# Altium PCB PS1-1B-BASIS.PcbDoc (part 6 of 7)
Units mm, origin at the board's own origin, x right, y up, seen from the top; angles counter-clockwise.
Board outline 88 x 170 mm, 6 copper layers (Top Layer, Mid 1, Mid 2 (GND), Mid 3 (PWR), Mid 4, Bottom Layer), stack 1.55 mm thick; 633 components, 333 nets, 1767 pads, 930 vias.
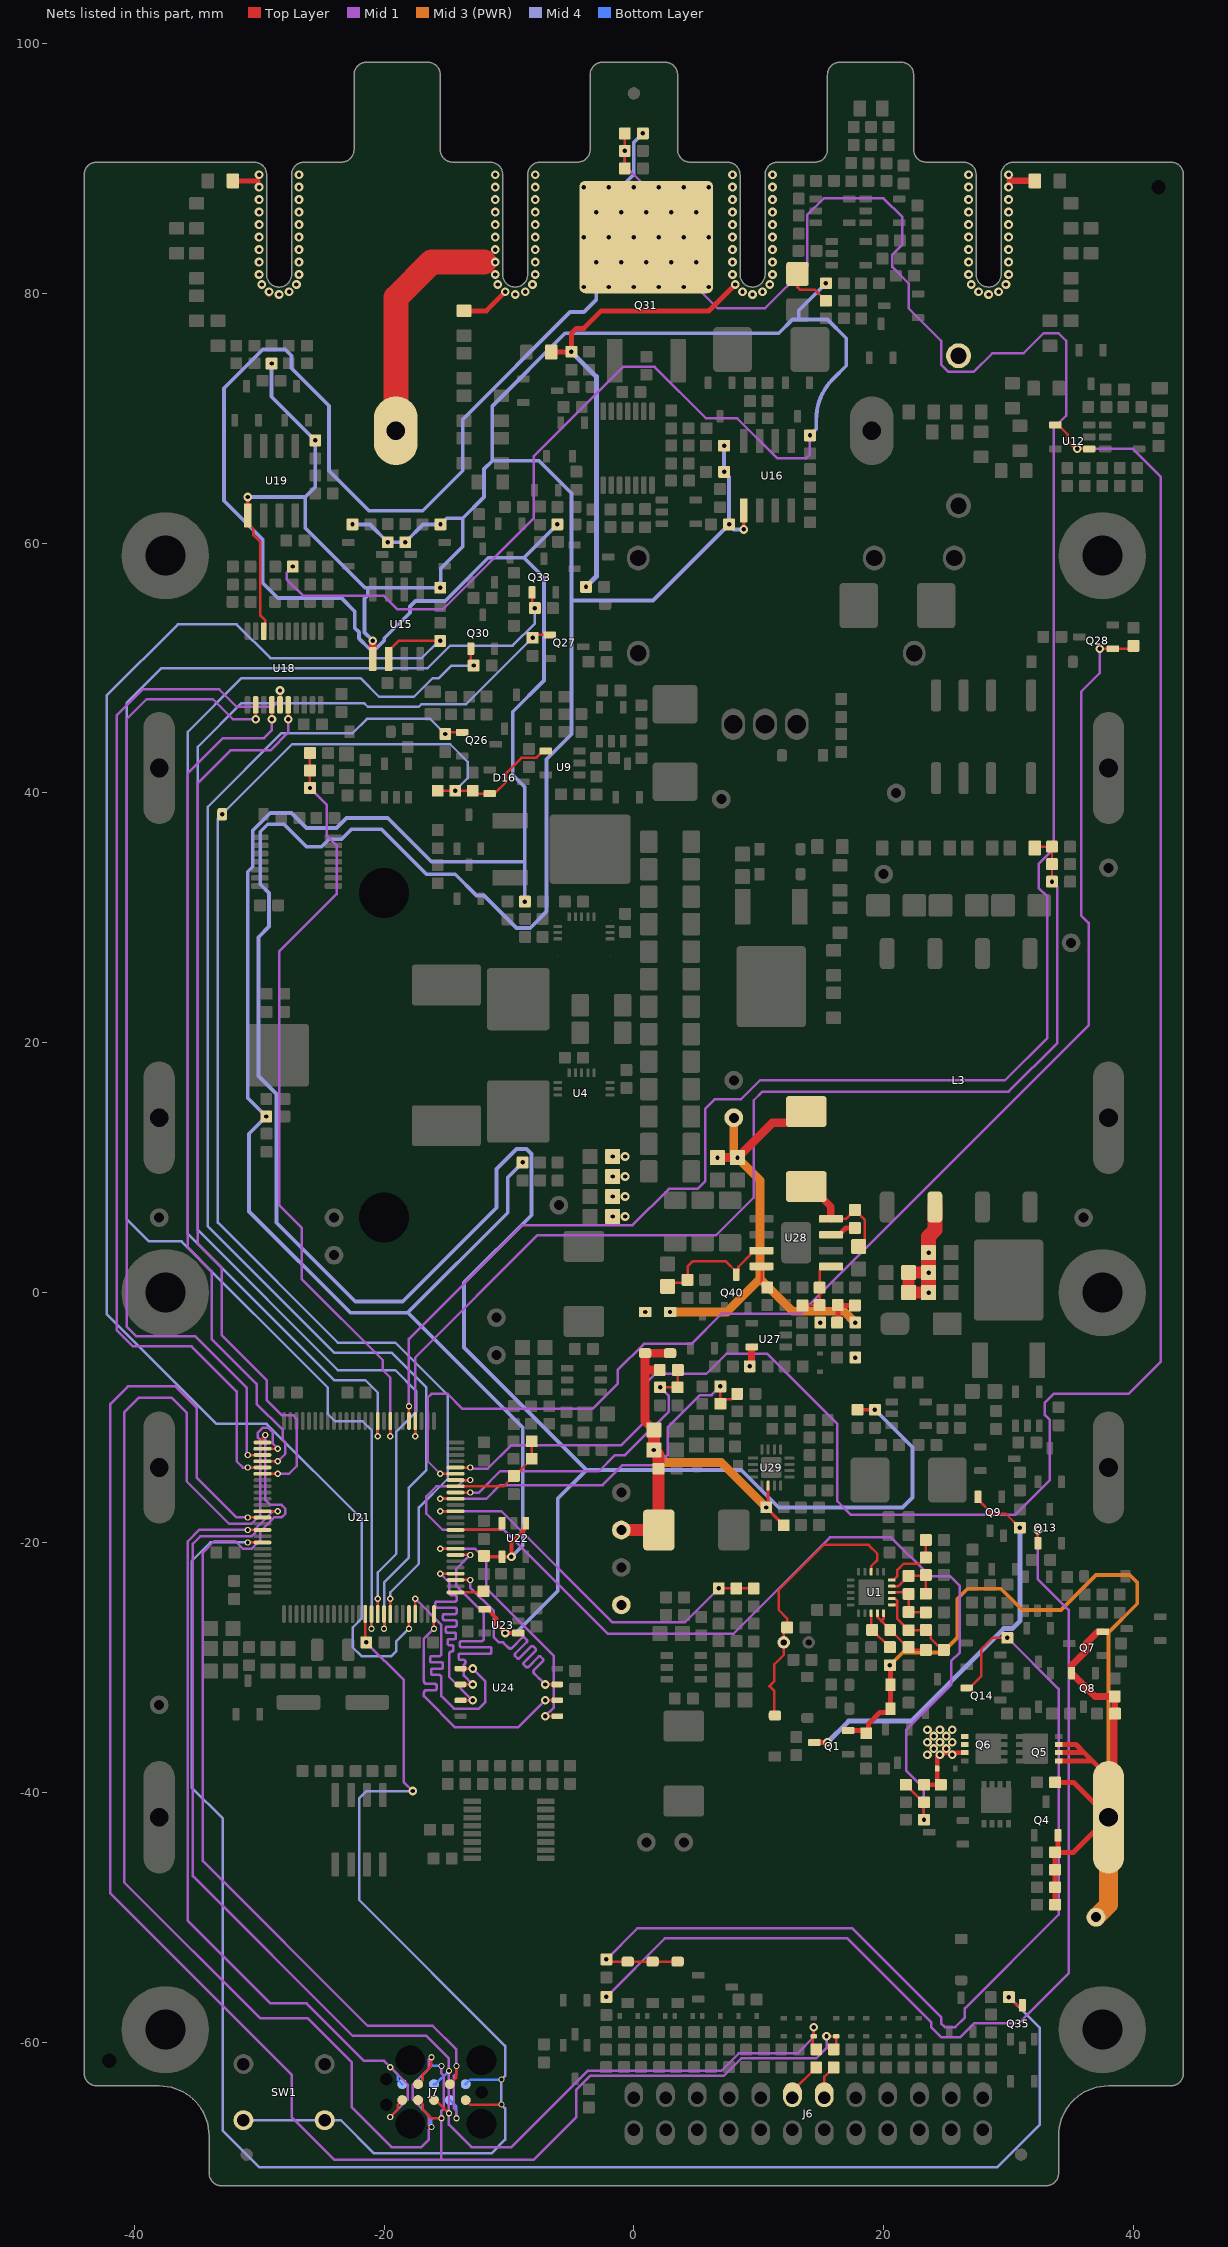
[diagram p10: the nets of this part, all layers, seen from the top]

## Via types
v1: diameter 0.7, hole 0.35, Top Layer to Bottom Layer, tented both sides, 808 vias
v2: diameter 0.5, hole 0.3, Top Layer to Bottom Layer, tented both sides, 94 vias
v3: diameter 0.7, hole 0.35, Top Layer to Bottom Layer, 28 vias

## Nets (pads, with @x,y where several pads share a name; then routed paths per layer and width w, separated by ;. In a path a pad name is that pad's centre, name@x,y a point inside that pad or via, vN(x,y) a via of type N, cw(c..) or ccw(c..) an arc to the next point about the centre after c; other vN are vias at no path point) (continued)
OUT_SEL_HV: Q27.1@-6.75,52.65 R114.1 U21.16 | length 112.8
  Top Layer w0.2: U21.16@-20.5,-25.725 v2(-20.5,-24.5) ; v1(-8.1,52.425) -7.875,52.65 Q27.1@-6.75,52.65
  Mid 4 w0.2: v2(-20.5,-24.5) -20.5,-22.4 -19,-20.9 -19,-11.1 -17.4,-9.5 -17.4,-7.9 -19.1,-6.2 -23.7,-6.2 -34.9,5 -34.9,43.7 -31.4,47.2 -21.6,47.2 -21.3,46.9 -17.2,46.9 -17,47.1 -13.425,47.1 v1(-8.1,52.425)
OUT_SEL_ISO: Q28.1@38.35,51.55 R124.1 U21.45 | length 108.4
  Top Layer w0.2: v2(-15.5,-14.5) U21.45@-14.275,-14.5 ; v1(37.3,51.55) Q28.1@38.35,51.55 39.775,51.55 R124.1@40,51.775
  Mid 1 w0.2: v2(-15.5,-14.5) -16.5,-13.5 -16.5,-8.4 -16.2,-8.1 -14.9,-8.1 -13.7,-9.3 -3.3,-9.3 -1.3,-7.3 -1.3,-6.2 0.8,-4.1 4.6,-4.1 7,-1.7 13.3,-1.7 36.4,21.4 36.4,29.6 35.8,30.2 35.8,48.1 37.3,49.6 v1(37.3,51.55)
OVP/: D8.1 D16.2 R86.1 R87.1 R91.2 U9.4 U21.18 | length 112.2
  Top Layer w0.2: U21.18@-19.5,-25.725 v2(-19.5,-24.5) ; R87.1@-15.7,40.175 v1(-14.3,40.175) R91.2@-12.9,40.175 -12.75,40.175 -12.525,39.95 D16.2@-11.55,39.95 -11.15,39.95 -10.2,40.9 -10.2,41.6 -9,42.8 -7.825,42.8 -7.275,43.35 U9.4@-7.05,43.35
  Mid 4 w0.2: v2(-19.5,-24.5) -19.5,-24 -17.2,-21.7 -17.2,-17.2 -14.9,-14.9 -14.9,-8.2 -19.1,-4 -23.7,-4 -33.3,5.6 -33.3,37.95 v1(-32.95,38.3) -27.35,43.9 -14.7,43.9 -13.3,42.5 -13.3,41.175 v1(-14.3,40.175)
OVP_RESET: Q26.1@-13.75,44.85 R83.1 U21.17 | length 102.1
  Top Layer w0.2: v2(-20,-26.9) U21.17@-20,-25.725 ; v1(-15.1,44.725) -14.975,44.85 Q26.1@-13.75,44.85
  Mid 4 w0.2: v2(-20,-26.9) -20,-23.2 -18,-21.2 -18,-15.6 -16.6,-14.2 -16.6,-7.6 -19.4,-4.8 -24,-4.8 -34.1,5.3 -34.1,38.9 -28.2,44.8 -22.5,44.8 -21.377,45.923 -16.298,45.923 v1(-15.1,44.725)
QSPI.CLK: U21.25 U24.6 | length 21.2
  Top Layer w0.2: v2(-16,-26.9) U21.25@-16,-25.725 ; v1(-7.1,-32.635) U24.6@-6.13,-32.635
  Mid 1 w0.2: v2(-16,-26.9) -16.8,-27.7 -16.8,-30.558 -16.8,-31.127 ccw(c-16.6,-31.127) -16.6,-31.327 -15.921,-31.327 cw(c-15.921,-31.452) -15.796,-31.452 -15.796,-31.702 cw(c-15.921,-31.702) -15.921,-31.827 -16.6,-31.827 ccw(c-16.6,-32.027) -16.8,-32.027 -16.8,-32.3 -16.61,-32.49 -14.3,-34.8 -9.265,-34.8 v1(-7.1,-32.635)
QSPI.CS/: U21.22 U24.1@-13.87,-30.095 | length 21.3
  Top Layer w0.2: U21.22@-17.5,-25.725 v2(-17.5,-24.5) ; U24.1@-13.87,-30.095 v1(-12.9,-30.095)
  Mid 1 w0.2: v2(-17.5,-24.5) -15.4,-26.6 -15.4,-28.3 -15.4,-28.9 cw(c-15.6,-28.9) -15.6,-29.1 -16.175,-29.1 ccw(c-16.175,-29.225) -16.3,-29.225 -16.3,-29.475 ccw(c-16.175,-29.475) -16.175,-29.6 -15.403,-29.6 cw(c-15.403,-29.725) -15.278,-29.725 -15.278,-29.975 cw(c-15.403,-29.975) -15.403,-30.1 -16.105,-30.1 ccw(c-16.105,-30.225) -16.23,-30.225 -16.23,-30.475 ccw(c-16.105,-30.475) -16.105,-30.6 -15.6,-30.6 cw(c-15.6,-30.8) -15.4,-30.8 -15.4,-31.208 -15.4,-32.3 -14.4,-33.3 -12.4,-33.3 -11.9,-32.8 -11.9,-31.095 v1(-12.9,-30.095)
QSPI.IO0: U21.33 U24.5 | length 21.3
  Top Layer w0.2: v2(-15.5,-20.5) U21.33@-14.275,-20.5 ; v1(-7.1,-33.905) U24.5@-6.13,-33.905
  Mid 1 w0.2: v2(-15.5,-20.5) -12.7,-20.5 -11.8,-21.4 -11.8,-23.7 -6.4,-29.1 -6.4,-33.205 v1(-7.1,-33.905)
QSPI.IO1: U21.32 U24.2 | length 21.3
  Top Layer w0.2: U21.32@-14.275,-21 v2(-13.1,-21) ; U24.2@-13.87,-31.365 v1(-12.9,-31.365)
  Mid 1 w0.2: v2(-13.1,-21) -14.2,-22.1 -14.2,-23.5 -12,-25.7 -12,-27.114 -12,-27.692 cw(c-12.2,-27.692) -12.2,-27.892 -13.796,-27.892 ccw(c-13.796,-28.017) -13.921,-28.017 -13.921,-28.267 ccw(c-13.796,-28.267) -13.796,-28.392 -11.522,-28.392 cw(c-11.522,-28.517) -11.397,-28.517 -11.397,-28.767 cw(c-11.522,-28.767) -11.522,-28.892 -13.889,-28.892 ccw(c-13.889,-29.017) -14.014,-29.017 -14.014,-29.267 ccw(c-13.889,-29.267) -13.889,-29.392 -13.675,-29.392 cw(c-13.675,-29.592) -13.534,-29.734 -13.6,-29.8 -13.6,-29.892 -13.6,-30.665 v1(-12.9,-31.365)
QSPI.IO2: U21.29 U24.3 | length 21.6
  Top Layer w0.2: v2(-15.5,-22.5) U21.29@-14.275,-22.5 ; U24.3@-13.87,-32.635 v1(-12.9,-32.635)
  Mid 1 w0.2: v2(-15.5,-22.5) -14.775,-23.225 -14.775,-23.928 -14.775,-24.028 ccw(c-14.575,-24.028) -14.575,-24.228 -14.313,-24.228 cw(c-14.313,-24.353) -14.188,-24.353 -14.188,-24.603 cw(c-14.313,-24.603) -14.313,-24.728 -15.765,-24.728 ccw(c-15.765,-24.853) -15.89,-24.853 -15.89,-25.103 ccw(c-15.765,-25.103) -15.765,-25.228 -14.313,-25.228 cw(c-14.313,-25.353) -14.188,-25.353 -14.188,-25.603 cw(c-14.313,-25.603) -14.313,-25.728 -15.152,-25.728 ccw(c-15.152,-25.853) -15.277,-25.853 -15.277,-26.103 ccw(c-15.152,-26.103) -15.152,-26.228 -14.313,-26.228 cw(c-14.313,-26.353) -14.188,-26.353 -14.188,-26.603 cw(c-14.313,-26.603) -14.313,-26.728 -14.925,-26.728 ccw(c-14.925,-26.853) -15.05,-26.853 -15.05,-27.103 ccw(c-14.925,-27.103) -14.925,-27.228 -14.363,-27.228 cw(c-14.363,-27.353) -14.238,-27.353 -14.238,-27.603 cw(c-14.363,-27.603) -14.363,-27.728 -14.775,-27.728 ccw(c-14.775,-27.853) -14.9,-27.853 -14.9,-28.103 ccw(c-14.775,-28.103) -14.775,-28.228 -14.575,-28.228 cw(c-14.575,-28.353) -14.45,-28.353 -14.45,-28.603 cw(c-14.575,-28.603) -14.575,-28.728 ccw(c-14.575,-28.928) -14.775,-28.928 -14.775,-29.404 -14.775,-30.76 v1(-12.9,-32.635)
QSPI.IO3: U21.28 U24.7 | length 21.4
  Top Layer w0.2: U21.28@-14.275,-23 v2(-13.1,-23) ; v1(-7.1,-31.365) U24.7@-6.13,-31.365
  Mid 1 w0.2: v2(-13.1,-23) -13.1,-23.6 -11.2,-25.5 -11.2,-27.6 -10.8,-28 -10.465,-28 -10.099,-28.366 -10.029,-28.436 ccw(c-9.887,-28.295) -9.746,-28.436 -8.93,-27.62 cw(c-8.841,-27.709) -8.753,-27.62 -8.576,-27.797 cw(c-8.664,-27.885) -8.576,-27.974 -9.507,-28.905 ccw(c-9.419,-28.994) -9.507,-29.082 -9.331,-29.259 ccw(c-9.242,-29.17) -9.154,-29.259 -8.222,-28.327 cw(c-8.134,-28.416) -8.046,-28.327 -7.869,-28.504 cw(c-7.957,-28.593) -7.869,-28.681 -8.8,-29.612 ccw(c-8.712,-29.701) -8.8,-29.789 -8.623,-29.966 ccw(c-8.535,-29.877) -8.447,-29.966 -7.627,-29.146 cw(c-7.538,-29.234) -7.45,-29.146 -7.273,-29.323 cw(c-7.361,-29.411) -7.273,-29.499 -7.978,-30.204 ccw(c-7.837,-30.346) -7.978,-30.487 -7.636,-30.829 -7.566,-30.899 v1(-7.1,-31.365)
RESET/: J7.10 R234.2 SW1.1 U21.14 | length 81.2
  Top Layer w0.2: U21.14@-21.5,-25.725 -21.5,-27.925 v1(-21.425,-28) ; J7.10@-13.46,-64.635 -13.095,-65 v2(-10.6,-65)
  Mid 1 w0.2: v1(-21.425,-28) -18.4,-31.025 -18.4,-39.2 v1(-17.7,-39.9)
  Mid 4 w0.2: SW1.1@-31.25,-66.25 SW1.1@-24.75,-66.25 -23.45,-66.25 -20.8,-68.9 -11.4,-68.9 -10.3,-67.8 -10.3,-65.3 v2(-10.6,-65) v2(-10.6,-63) -10.299,-62.699 -10.299,-60.301 -22,-48.6 -22,-40.5 -21.4,-39.9 v1(-17.7,-39.9)
  Bottom Layer w0.2: J7.10@-13.46,-63.365 -13.095,-63 v2(-10.6,-63)
SENS_N: J5.1 R191.1 | length 2
  Top Layer w0.5: 30.1,89 R191.1@32.1,89
  other v1: 28.4,79.9 27.6,80.114 29.2,80.114 27.014,80.7 29.786,80.7 26.8,81.5 30,81.5 26.8,82.5 30,82.5 26.8,83.5 30,83.5 26.8,84.5 30,84.5 26.8,85.5 30,85.5 26.8,86.5 30,86.5 26.8,87.5 30,87.5 26.8,88.5 30,88.5 26.8,89.5 30,89.5
SENS_P: J4.1 R178.1 | length 2.2
  Top Layer w0.4: R178.1@-32.1,89 -30.1,89 ; v1@-29.2,79.9 v1(-29.2,80.114)
  other v1: -28.4,79.9 -27.6,80.114 -29.786,80.7 -27.014,80.7 -30,81.5 -26.8,81.5 -30,82.5 -26.8,82.5 -30,83.5 -26.8,83.5 -30,84.5 -26.8,84.5 -30,85.5 -26.8,85.5 -30,86.5 -26.8,86.5 -30,87.5 -26.8,87.5 -30,88.5 -26.8,88.5 -30,89.5 -26.8,89.5
SHUNT_EN: Q33.1@-8.15,56.05 R149.2 U21.15 | length 124.1
  Top Layer w0.2: v2(-21,-26.9) U21.15@-21,-25.725 ; Q33.1@-8.15,56.05 -8.15,55.025 v1(-7.925,54.8)
  Mid 4 w0.2: v2(-21,-26.9) -21,-11 -21.7,-10.3 -23.9,-10.3 -24.5,-9.7 -24.5,-7.6 -36.2,4.1 -38.8,4.1 -40.6,5.9 -40.6,47.2 -37.8,50 -16.5,50 -14.7,51.8 -9.7,51.8 -7.925,53.575 v1(-7.925,54.8)
SHUNT_ISO_EN: Q30.1@-13.05,51.55 R139.1 U21.60 | length 93.1
  Top Layer w0.2: v2(-20.5,-11.5) U21.60@-20.5,-10.275 ; Q30.1@-13.05,51.55 -13.05,50.525 -12.825,50.3 v1(-12.825,50.2)
  Mid 4 w0.2: v2(-20.5,-11.5) -20.5,-8 -21.5,-7 -24,-7 -35.7,4.7 -35.7,44.9 -31.4,49.2 -21.887,49.2 -20.387,47.7 -17.6,47.7 -16.1,49.2 -15.6,49.2 -14.6,50.2 v1(-12.825,50.2)
SPI.CS: U18.12 U21.78 | length 79.6
  Top Layer w0.2: v2(-30.9,-13) U21.78@-29.725,-13 ; v1(-30.275,45.9) U18.12@-30.275,47.05
  Mid 1 w0.2: v2(-30.9,-13) -31,-12.9 -31,-7.6 -35.1,-3.5 -39.8,-3.5 -40.6,-2.7 -40.6,45.9 -39,47.5 -33.7,47.5 -32.1,45.9 v1(-30.275,45.9)
SPI.MISO: U18.15 U21.80 | length 85.3
  Top Layer w0.2: v2(-30.9,-14) U21.80@-29.725,-14 ; U18.15@-28.325,47.05 v1(-28.325,48.2)
  Mid 1 w0.2: v2(-30.9,-14) -31.3,-14 -31.8,-13.5 -31.8,-7.9 -35.4,-4.3 -40.1,-4.3 -41.4,-3 -41.4,46.2 -39.3,48.3 -33.2,48.3 -31.8,46.9 -28.9,46.9 -28.325,47.475 v1(-28.325,48.2)
SPI.MOSI: U18.16 U21.81 | length 72.6
  Top Layer w0.2: U21.81@-29.725,-14.5 v2(-28.5,-14.5) ; v1(-27.675,45.9) U18.16@-27.675,47.05
  Mid 1 w0.2: v2(-28.5,-14.5) -27.6,-14.5 -27,-13.9 -27,-10.1 -27.3,-9.8 -28.2,-9.8 -29.4,-8.6 -29.4,-7 -33,-3.4 -33,2 -34.9,3.9 -34.9,40.8 -32.3,43.4 -29.1,43.4 -27.675,44.825 v1(-27.675,45.9)
SPI.SCK: U18.14 U21.79 | length 70
  Top Layer w0.2: U21.79@-29.725,-13.5 v2(-28.5,-13.5) ; v1(-28.975,45.9) U18.14@-28.975,47.05
  Mid 1 w0.2: v1(-28.975,45.9) -28.975,45.025 -29.6,44.4 -32.9,44.4 -35.7,41.6 -35.7,3.6 -33.8,1.7 -33.8,-3.7 -30.2,-7.3 -30.2,-8.9 -28.1,-11 -28.1,-11.8 -27.9,-12 -27.9,-12.9 v2(-28.5,-13.5)
SWD.SWCLK: J7.4 U21.77 | length 116.3
  Top Layer w0.2: U21.77@-29.725,-12.5 v2(-28.5,-12.5) ; J7.4@-17.27,-63.365 -16.9,-62.995 -16.9,-62.6 -16.2,-61.9 v2(-16.2,-61.2)
  Mid 1 w0.2: v2(-28.5,-12.5) -28.9,-12.1 -28.9,-11.2 -29.3,-10.8 -29.7,-10.8 -30.1,-11.2 -30.1,-11.6 -29.9,-11.8 -29.9,-17.8 -30.6,-18.5 -32.4,-18.5 -35.8,-15.1 -35.8,-9.6 -37,-8.4 -39.6,-8.4 -40.8,-9.6 -40.8,-47.2 -29.9,-58.1 -26.1,-58.1 -22.6,-61.6 -22.6,-65.2 -19.4,-68.4 -17,-68.4 -16.4,-67.8 -16.4,-67 v2(-16.2,-66.8) -16.4,-66.6 -16.4,-65.9 -17.7,-64.6 -17.7,-63.4 -16.4,-62.1 -16.4,-61.4 v2(-16.2,-61.2)
  Bottom Layer w0.2: J7.4@-17.27,-64.635 -16.9,-65.005 -16.9,-65.4 -16.2,-66.1 v2(-16.2,-66.8)
SWD.SWDAT: J7.2 U21.76 | length 77.3
  Top Layer w0.2: U21.76@-29.725,-12 -29.725,-11.625 v2(-29.5,-11.4) ; J7.2@-14.73,-63.365 -14.2,-62.835 v2(-14.2,-61.9)
  Mid 1 w0.2: v2(-29.5,-11.4) -29.5,-16.6 -29.1,-17 -28.2,-17 -27.9,-17.3 -27.9,-17.7 -28.2,-18 -28.8,-18 -29.9,-19.1 -29.9,-19.8 -30.6,-20.5 -31.3,-20.5 -31.9,-19.9 -33.6,-19.9 -34.5,-20.8 -34.5,-45.5 -21.3,-58.7 -16.1,-58.7 -14.2,-60.6 v2(-14.2,-61.9) -14.2,-62.5 -14.4,-62.7 -14.4,-65.3 -14.2,-65.5 v2(-14.2,-66.1)
  Bottom Layer w0.2: J7.2@-14.73,-64.635 -14.2,-65.165 v2(-14.2,-66.1)
SWD.SWO: J7.6 U21.90 | length 66.5
  Top Layer w0.2: v2(-30.9,-19) U21.90@-29.725,-19 ; v2(-19.5,-66) -18.9,-65.4 -18.9,-64.995 J7.6@-18.54,-64.635
  Mid 1 w0.2: v2(-30.9,-19) -34.8,-19 -35.7,-19.9 -35.7,-50.3 -29.1,-56.9 -26.2,-56.9 -21.6,-61.5 -20,-61.5 v2(-19.5,-62) -18.1,-63.4 -18.1,-64.6 v2(-19.5,-66)
  Bottom Layer w0.2: v2(-19.5,-62) -18.9,-62.6 -18.9,-63.005 J7.6@-18.54,-63.365
TEMP_CURRENT: C69.1 R150.2 R152.1 U21.55 | length 193.5
  Top Layer w0.2: U21.55@-18,-10.275 v2(-18,-9.1) ; R152.1@-0.725,90 v1(-0.725,91.4) R150.2@-0.725,92.8
  Mid 1 w0.2: v2(-18,-9.1) -18,-3.7 -8.9,5.4 -0.1,5.4 2.8,8.3 5.1,8.3 5.7,8.9 5.7,14.7 6.5,15.5 8.6,15.5 10.1,17 29.7,17 33.1,20.4 33.1,31.7 32.4,32.4 32.4,34.3 33.6,35.5 33.6,69.2 34.6,70.2 34.6,76.2 34,76.8 32.8,76.8 31.2,75.2 28.7,75.2 27.2,73.7 25.2,73.7 24.6,74.3 24.6,76.2 22.011,78.789 22.011,80.789 20.7,82.1 20.7,83.1 21.5,83.9 21.5,86.1 20,87.6 15.2,87.6 13.9,86.3 13.9,82.2 10.5,78.8 6.7,78.8 4,81.5 4,83.5 2,85.5 2,87.5 -0.725,90.225 v1(-0.725,91.4)
TERM_N: GDT1.2 J3.1 Q31.3 R125.1 R126.1 R133.2 R137.2 R164.1 | length 41.6
  Top Layer w0.2: R126.1@13.1,81.55 13.1,80.5 13.3,80.3 14.475,80.3 R125.1@15.375,79.4
  Top Layer w0.4: R164.1@-6.6,75.3 -6.587,75.313 -5.013,75.313 v1(-5,75.325) ; R137.2@-5,75.3 -5,76.8 -4.6,77.2 -4,77.2 -2.6,78.6 6.014,78.6 v1(8.114,80.7)
  Mid 4 w0.4: v1(-5,75.325) -3,73.325 -3,57.325 v1(-3.825,56.5)
  other v1: 9.5,79.9 8.7,80.114 10.3,80.114 10.886,80.7 7.9,81.5 11.1,81.5 7.9,82.5 11.1,82.5 7.9,83.5 11.1,83.5 7.9,84.5 11.1,84.5 7.9,85.5 11.1,85.5 7.9,86.5 11.1,86.5 7.9,87.5 11.1,87.5 7.9,88.5 11.1,88.5 7.9,89.5 11.1,89.5
  other v3: -4,80.5 -2,80.5 0,80.5 2,80.5 4,80.5 6,80.5 -3,82.5 -1,82.5 1,82.5 3,82.5 5,82.5 -4,84.5 -2,84.5 0,84.5 2,84.5 4,84.5 6,84.5 -3,86.5 -1,86.5 1,86.5 3,86.5 5,86.5 -4,88.5 -2,88.5 0,88.5 2,88.5 4,88.5 6,88.5
TERM_P: F2.2 J2.1 R154.1 | length 22.8
  Top Layer w0.4: R154.1@-13.6,78.6 -11.814,78.6 v1(-10.3,80.114)
  Top Layer w2: F2.2@-19.05,69 -19.05,79.645 -16.195,82.5 -12,82.5
  other v1: -9.5,79.9 -8.7,80.114 -10.886,80.7 -8.114,80.7 -11.1,81.5 -7.9,81.5 -11.1,82.5 -7.9,82.5 -11.1,83.5 -7.9,83.5 -11.1,84.5 -7.9,84.5 -11.1,85.5 -7.9,85.5 -11.1,86.5 -7.9,86.5 -11.1,87.5 -7.9,87.5 -11.1,88.5 -7.9,88.5 -11.1,89.5 -7.9,89.5
TS: C11.1 D3.1 J1.1 R15.1 U1.8 | length 22.4
  Top Layer w0.2: D3.1@11.3,-33.85 11.25,-33.8 11.25,-31.9 J1.1@10.85,-31.5 11.25,-31.1 11.25,-29.75 12,-29 R15.1@12,-28 12,-27.075 C11.1@12.275,-26.8 12.275,-26.075 11.6,-25.4 11.6,-23.8 15.2,-20.2 18.8,-20.2 19.5,-20.9 19.5,-21.4 19,-21.9 U1.8@19,-22.35
UART.RX: D43.1 J7.7 R216.1 U21.88 | length 148.7
  Top Layer w0.2: v2(-30.9,-18) U21.88@-29.725,-18 ; J7.7@-17.27,-64.635 -16.9,-65.005 -16.9,-65.4 -16.2,-66.1 v2(-15.4,-66.1) ; v1(15.424,-59.525) D43.1@16.2,-59.525 16.2,-60.375 R216.1@16,-60.575
  Mid 1 w0.2: v2(-30.9,-18) -31.8,-18 -35,-14.8 -35,-9.2 -36.7,-7.5 -40.5,-7.5 -41.9,-8.9 -41.9,-48.1 -27.4,-62.6 -27.4,-66 -24,-69.4 -15.4,-69.4 ; v2(-15.4,-61.9) -15.4,-62.5 -15.2,-62.7 -15.2,-65.3 -15.4,-65.5 v2(-15.4,-66.1) -15.4,-69.4 ; v1(15.424,-59.525) 15.424,-60.476 14.6,-61.3 8.6,-61.3 7.2,-62.7 -3.5,-62.7 -4.6,-63.8 -4.6,-66 -8,-69.4 -15.4,-69.4
  Bottom Layer w0.2: J7.7@-17.27,-63.365 -16.9,-62.995 -16.9,-62.6 -16.2,-61.9 v2(-15.4,-61.9)
UART.TX: D42.1 J7.8 R214.1 U21.87 | length 107.3
  Top Layer w0.2: U21.87@-29.725,-17.5 v2(-28.5,-17.5) ; J7.8@-16,-64.635 -15.865,-64.635 v2(-14.8,-65.7) ; v1(14.4,-58.8) D42.1@14.4,-59.525 14.389,-59.525 14.314,-59.6 14.314,-60.261 14.3,-60.275 R214.1@14.6,-60.575
  Mid 1 w0.2: v2(-28.5,-17.5) -28.9,-17.5 -30.3,-18.9 -30.3,-19.2 -30.6,-19.5 -34.7,-19.5 -35.3,-20.1 -35.3,-46.7 -22.5,-59.5 -16.6,-59.5 -14.8,-61.3 v2(-14.8,-62.3) v2(-14.8,-65.7) -14.8,-66.6 -13,-68.4 -9.8,-68.4 -3.7,-62.3 7,-62.3 8.4,-60.9 13.1,-60.9 14.4,-59.6 v1(14.4,-58.8)
  Bottom Layer w0.2: J7.8@-16,-63.365 -15.865,-63.365 v2(-14.8,-62.3)
UART_RX_UI: J6.14 R216.2 | length 2.7
  Top Layer w0.2: J6.14@15.24,-64.46 15.24,-62.785 R216.2@16,-62.025
UART_TX_UI: J6.12 R214.2 | length 3.2
  Top Layer w0.2: J6.12@12.7,-64.46 12.7,-63.925 R214.2@14.6,-62.025
UI_ON_OFF.OFF: Q13.1@32.35,-20.05 R228.2 | length 82.1
  Top Layer w0.2: Q13.1@32.35,-20.05 v1(32.35,-19)
  Mid 1 w0.2: v1(-2.2,-56.375) 2.475,-51.7 17.1,-51.7 23.8,-58.4 23.8,-58.8 24.6,-59.6 26.136,-59.6 27.236,-58.5 30.8,-58.5 34.8,-54.5 34.8,-25.4 32.35,-22.95 v1(32.35,-19)
UI_ON_OFF.ON: D46.1 D47.1 D48.1 Q14.1@26.65,-31.65 R45.1 R229.1 | length 80.8
  Top Layer w0.2: v1(-2.2,-53.375) -2.025,-53.55 D47.1@-0.5,-53.55 D46.1@1.5,-53.55 D48.1@3.5,-53.55 ; Q14.1@26.65,-31.65 26.875,-31.65 27.806,-30.719 27.806,-28.575 28.756,-27.625 v1(29.9,-27.625)
  Mid 1 w0.2: v1(-2.2,-53.375) 0.275,-50.9 17.5,-50.9 24.6,-58 24.6,-58.5 24.9,-58.8 25.729,-58.8 26.5,-58.029 26.5,-57.3 34,-49.8 34,-31.725 v1(29.9,-27.625)
UI_PRESENT: Q35.3 R205.1 U21.92 | length 133.5
  Top Layer w0.2: v2(-30.9,-20) U21.92@-29.725,-20 ; v1(30.025,-56.4) 30.675,-57.05 Q35.3@31.1,-57.05
  Mid 4 w0.2: v2(-30.9,-20) -33.9,-20 -35.4,-21.5 -35.4,-39.6 -32.9,-42.1 -32.9,-67.1 -30,-70 29.1,-70 32.5,-66.6 32.5,-58.875 v1(30.025,-56.4)
V_3V3: C139.1 R279.2 R281.1 U21.39 | length 31.1
  Top Layer w0.2: v2(-15.5,-17.5) U21.39@-14.275,-17.5 ; v1(6.8,-23.675) C139.1@8.2,-23.675 R279.2@9.6,-23.675
  Mid 1 w0.2: v2(-15.5,-17.5) -10.6,-17.5 -1.7,-26.4 4.075,-26.4 v1(6.8,-23.675)
V_3V3_A: C151.1 R289.2 R290.1 U21.58 | length 62.4
  Top Layer w0.2: v1(-25.925,40.4) C151.1@-25.925,41.8 R289.2@-25.925,43.2 ; v2(-19.5,-11.5) U21.58@-19.5,-10.275
  Mid 1 w0.2: v1(-25.925,40.4) -24.6,39.075 -24.6,36.6 -23.8,35.8 -23.8,31.9 -28.4,27.3 -28.4,7 -26.6,5.2 -26.6,1.1 -20.1,-5.4 -20.1,-6.2 -19.5,-6.8 v2(-19.5,-11.5)
V_5V: C146.1 R286.2 R288.1 U21.43 | length 8.4
  Top Layer w0.2: U21.43@-14.275,-15.5 -10.425,-15.5 C146.1@-9.6,-14.675 -9.55,-14.675 R288.1@-8.175,-13.3 R286.2@-8.175,-11.9
V_15V: C129.1 R270.2 R272.1 U21.41 | length 31.7
  Top Layer w0.2: v2(-15.5,-16.5) U21.41@-14.275,-16.5 ; v1(6.925,-7.5) C129.1@6.925,-8.9 7.3,-8.525 7.85,-8.525 R270.2@8.275,-8.1
  Mid 1 w0.2: v2(-15.5,-16.5) -11.8,-16.5 -10.7,-15.4 -2.5,-15.4 -0.9,-13.8 1.9,-13.8 2.7,-13 2.7,-10.8 5.3,-8.2 6.225,-8.2 v1(6.925,-7.5)
V_HV: C49.1 R68.2 R71.1 R72.1 U21.54 | length 91.3
  Top Layer w0.2: v2(-17.5,-11.5) U21.54@-17.5,-10.275 ; R68.2@32,35.6 32.1,35.7 R71.1@33.475,35.7 R72.1@33.475,34.3 v1(33.475,32.9)
  Mid 1 w0.2: v2(-17.5,-11.5) -17.5,-5.2 -7.7,4.6 6.6,4.6 9.6,7.6 9.6,15.4 10.3,16.1 30,16.1 33.9,20 33.9,32.475 v1(33.475,32.9)
V_IN: C15.1 R29.2 R34.1 U21.44 | length 82.6
  Top Layer w0.2: U21.44@-14.275,-15 v2(-13.1,-15) ; R29.2@21.775,-39.4 21.8,-39.4 23.2,-40.8 R34.1@23.225,-40.8 v1(23.225,-42.2)
  Mid 1 w0.2: v2(-13.1,-15) -13.6,-15 -14.1,-15.5 -15.8,-15.5 -16.6,-16.3 -16.6,-17.7 -15.3,-19 -10.4,-19 -2.1,-27.3 8,-27.3 15.7,-19.6 20.6,-19.6 23.7,-22.7 25.3,-22.7 26.1,-23.5 26.1,-28.8 25.4,-29.5 25.4,-31.4 21.8,-35 21.8,-38.27 23.225,-39.695 v1(23.225,-42.2)
V_OUT: U12.1@36.45,67.55 U12.4 U21.46 | length 162.6
  Top Layer w0.2: U21.46@-14.275,-14 v2(-13.1,-14) ; U12.4@33.75,69.45 33.975,69.45 34.751,68.674 34.751,68.149 35.35,67.55 v1(35.5,67.55) U12.1@36.45,67.55
  Mid 1 w0.2: v2(-13.1,-14) -13,-14.1 -11.7,-14.1 -9.8,-12.2 -1,-12.2 1.1,-10.1 1.1,-7.1 1.7,-6.5 5.8,-6.5 7.4,-4.9 10.7,-4.9 16.3,-10.5 16.3,-16.7 17.4,-17.8 30.5,-17.8 33.3,-15 33.3,-10.2 32.9,-9.8 32.9,-8.8 33.6,-8.1 39.6,-8.1 42.2,-5.5 42.2,65.3 39.95,67.55 v1(35.5,67.55)